# Altium PCB foxbms2-master.PcbDoc (part 6 of 12)
Units mil, origin at the board's own origin, x right, y up, seen from the top; angles counter-clockwise.
Board outline 7874.02 x 4724.41 mil, 8 copper layers (Top, Int1 (Sig), Int2 (Gnd), Int3 (Sig), Int4 (Sig), Int5 (Pwr), Int6 (Sig), Bottom), stack 64.41 mil thick; 912 components, 680 nets, 3159 pads, 2871 vias.
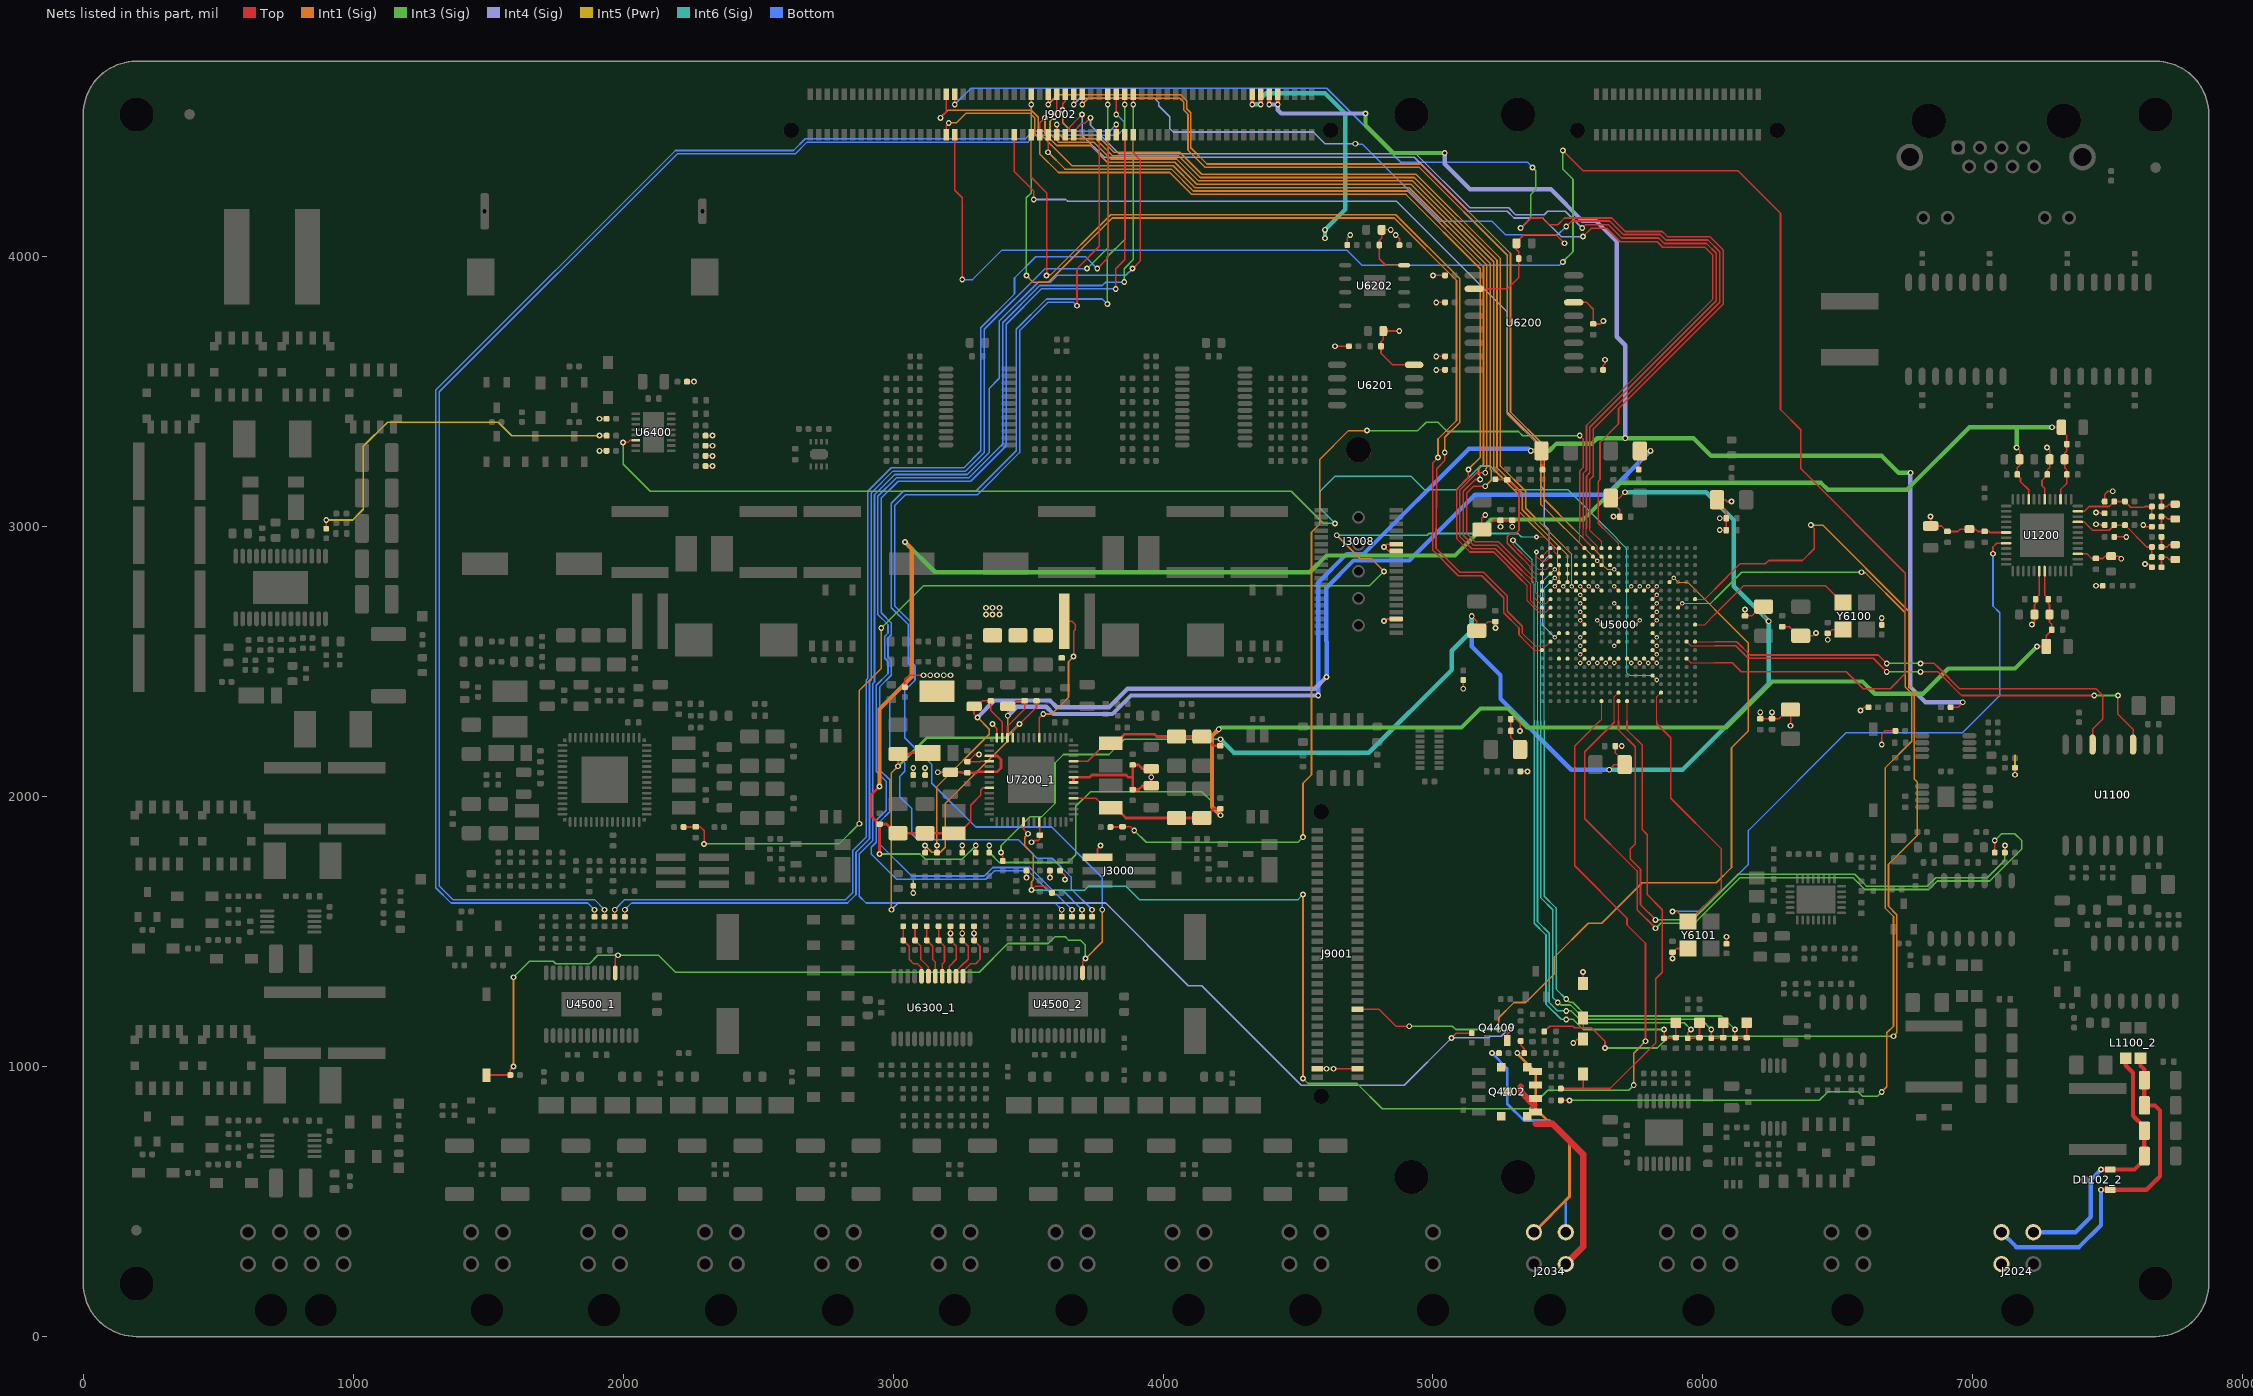
[diagram p12: the nets of this part, all layers, seen from the top]

## Via types
v1: diameter 21.65, hole 11.81, Top to Bottom, 1680 vias
v2: diameter 21.65, hole 11.81, Top to Bottom, tented both sides, 970 vias
v3: diameter 17.72, hole 7.87, Top to Bottom, tented both sides, 172 vias
v4: diameter 17.72, hole 7.87, Top to Bottom, 23 vias
v5: diameter 29.53, hole 19.68, Top to Bottom, tented both sides, 17 vias
v6: diameter 29.53, hole 19.68, Top to Bottom, 9 vias

## Nets (pads, with @x,y where several pads share a name; then routed paths per layer and width w, separated by ;. In a path a pad name is that pad's centre, name@x,y a point inside that pad or via, vN(x,y) a via of type N, cw(c..) or ccw(c..) an arc to the next point about the centre after c; other vN are vias at no path point) (continued)
IODEV_IO.CONT_FB_IO.IO1_1_1: R6311_1.1 R6329_1.2 U6300_1.14 | length 238.4
  Top w6: U6300_1.14@3258.91,1334.89 3258.91,1353.59 3286.56,1381.25 3305.87,1381.25 3321.83,1397.21 3321.83,1445.89 R6311_1.1@3300,1467.72 v2(3300,1493.75) R6329_1.2@3300,1519.78 R6329_1.2@3300,1526.83
IODEV_IO.CONT_FB_IO.IO1_2_1: R6312_1.1 R6330_1.2 U6300_1.15 | length 213.1
  Top w6: U6300_1.15@3233.32,1334.89 3233.32,1353.59 3264.15,1384.42 3265.29,1384.42 3278.08,1397.21 3278.08,1445.89 R6312_1.1@3256.25,1467.72 v2(3256.25,1493.75) R6330_1.2@3256.25,1519.78
IODEV_IO.CONT_FB_IO.IO1_3_1: R6313_1.1 R6331_1.2 U6300_1.16 | length 205
  Top w6: U6300_1.16@3207.73,1334.89 3207.73,1370.61 3234.33,1397.21 3234.33,1445.89 R6313_1.1@3212.5,1467.72 v2(3212.5,1493.75) R6331_1.2@3212.5,1519.78
IODEV_IO.CONT_FB_IO.IO1_4_1: R6314_1.1 R6332_1.2 U6300_1.17 | length 197.4
  Top w6: R6332_1.2@3168.75,1519.78 R6314_1.1@3168.75,1467.72 3190.58,1445.89 3190.58,1388.84 3182.14,1380.4 U6300_1.17@3182.14,1334.89
IODEV_IO.CONT_FB_IO.IO1_5_1: R6315_1.1 R6333_1.2 U6300_1.18 | length 198
  Top w6: R6333_1.2@3125,1519.78 R6315_1.1@3125,1467.72 3146.83,1445.89 3146.83,1396.92 3156.55,1387.2 U6300_1.18@3156.55,1334.89
IODEV_IO.CONT_FB_IO.IO1_6_1: R6316_1.1 R6334_1.2 U6300_1.19 | length 205.5
  Top w6: R6334_1.2@3081.25,1519.78 R6316_1.1@3081.25,1467.72 3103.17,1445.79 3103.17,1396.83 3130.95,1369.05 U6300_1.19@3130.95,1334.89
IODEV_IO.CONT_FB_IO.IO1_7_1: R6317_1.1 R6335_1.2 U6300_1.20 | length 221.9
  Top w6: R6335_1.2@3037.5,1519.78 R6317_1.1@3037.5,1467.72 3059.42,1445.79 3059.42,1397.21 3075.38,1381.25 3090.57,1381.25 3105.36,1366.45 U6300_1.20@3105.36,1334.89
IODEV_IO.IM_OK_1: D4400.2 R4401.2 U5000.A9 | length 1806.7
  Top w4: 5719,2281.25 U5000.A9@5719,2354.04
  Top w6: R4401.2@5473.97,918.75 5556.84,918.75 ; D4400.2@5556.25,973.13 5556.25,919.34 5556.84,918.75 ; 5719,2281.25 5719,2247.24 5775,2191.24 5775,1878.12 5793.75,1859.37 5793.75,1637.5 5850,1581.25 5850,1350 5825,1325 5825,1087.5 5656.25,918.75 5556.84,918.75
IODEV_IO.IM_PWM_1: D4401.2 R4403.2 U5000.N1 | length 4160.2
  Top w4: U5000.N1@5970.96,2731.99 6006.99,2731.99 6043.75,2768.75
  Top w6: R4403.2@5412.5,1130.22 5432.28,1150 5518.75,1150 5525,1143.75 5556.25,1143.75 ; D4401.2@5556.25,1179.38 5556.25,1143.75 ; v1(5637.5,1068.75) 5637.5,1093.75 5587.5,1143.75 5556.25,1143.75 ; 6043.75,2768.75 6137.5,2862.5 6231.25,2862.5 6243.75,2875 6368.75,2875 6412.5,2918.75 6412.5,2993.75 v1(6400,3006.25)
  Int3 (Sig) w6: v1(5637.5,1068.75) 5831.25,1068.75 5875,1112.5 v1(6706.25,1112.5)
  Int1 (Sig) w6: v1(6400,3006.25) 6443.75,3006.25 6762.5,2687.5 6762.5,2412.5 6783.75,2391.25 6783.75,2064.61 6793.75,2054.61 6793.75,1856.25 6687.5,1750 6687.5,1593.75 6718.75,1562.5 6718.75,1125 v1(6706.25,1112.5)
IODEV_IO.IM_SUP_EN_1: R4400.1 U5000.M3 | length 4029.5
  Top w4: U5000.M3@5907.97,2700.49 v4(5923.72,2716.24)
  Top w6: R4400.1@5473.97,875 v2(5506.25,875)
  Int3 (Sig) w4: v4(5923.72,2716.24) 6028.74,2716.24 6043.75,2731.25
  Int3 (Sig) w6: v2(5506.25,875) 6431.25,875 6462.5,906.25 6576.17,906.25 6591.75,890.67 6646.92,890.67 v1(6662.5,906.25) ; 6043.75,2731.25 6143.75,2831.25 v1(6587.5,2831.25)
  Int1 (Sig) w6: v1(6587.5,2831.25) 6589.83,2828.92 6602.33,2828.92 6750,2681.25 6750,2406.25 6773.75,2382.5 6773.75,2205 6675,2106.25 6675,1587.5 6706.25,1556.25 6706.25,1150 6681.25,1125 6681.25,925 v1(6662.5,906.25)
IODEV_IO.SMSW1_IN1: J9002.71 R4514_1.1 | length 4505.8
  Top w6: R4514_1.1@2006.25,1555.22 v1(2006.25,1581.25) ; v1(3795.28,4564.86) J9002.71@3795.28,4602.36
  Int3 (Sig) w6: v1(3718.75,3956.25) 3795.28,4032.78 v1(3795.28,4564.86)
  Bottom w6: v1(2006.25,1581.25) 2031.25,1606.25 2831.25,1606.25 2862.5,1637.5 2862.5,1793.75 2912.5,1843.75 2912.5,2425.86 2918.75,2432.11 2918.75,3125 3000,3206.25 3268.75,3206.25 3337.5,3275 3337.5,3731.25 3562.5,3956.25 v1(3718.75,3956.25)
IODEV_IO.SMSW1_IN2: J9002.72 R4515_1.1 | length 4486.7
  Top w6: R4515_1.1@1968.75,1555.22 v1(1968.75,1581.25) ; v1(3756.25,3956.25) 3795.28,3995.28 J9002.72@3795.28,4452.76
  Bottom w6: v1(1968.75,1581.25) 2006.25,1618.75 2825,1618.75 2850,1643.75 2850,1800 2900,1850 2900,2410.23 2900,2431.25 2906.25,2437.5 2906.25,3131.25 2993.75,3218.75 3262.5,3218.75 3325,3281.25 3325,3737.5 3450,3862.5 3450,3921.92 3528.08,4000 3712.5,4000 v1(3756.25,3956.25)
IODEV_IO.SMSW1_IN3: J9002.73 R4516_1.1 | length 5587.1
  Top w6: R4516_1.1@1931.25,1555.22 v1(1931.25,1581.25) ; v1(3826.77,4527.36) J9002.73@3826.77,4602.36
  Bottom w6: v1(1931.25,1581.25) 1893.75,1618.75 1368.75,1618.75 1318.75,1668.75 1318.75,3465.03 1318.75,3500 2200,4381.25 2637.5,4381.25 2681.25,4425 3500,4425 3525,4450 3830.09,4450 3855.78,4475.69 3855.78,4500.47 3828.89,4527.36 v1(3826.77,4527.36)
IODEV_IO.SMSW1_IN4: J9002.74 R4517_1.1 | length 5456
  Top w6: R4517_1.1@1893.75,1555.22 v1(1893.75,1581.25) ; J9002.74@3826.77,4452.76 v1(3826.77,4489.86)
  Bottom w6: v1(1893.75,1581.25) 1868.75,1606.25 1362.5,1606.25 1306.25,1662.5 1306.25,3424.49 1306.25,3506.25 2193.75,4393.75 2631.25,4393.75 2675,4437.5 3490.58,4437.5 3518.75,4465.67 3802.58,4465.67 v1(3826.77,4489.86)
IODEV_IO.SMSW2_IN1: J9002.75 R4514_2.1 | length 4364.3
  Top w6: R4514_2.1@3737.5,1555.22 v1(3737.5,1581.25) ; v1(3858.27,4564.86) J9002.75@3858.27,4602.36
  Int3 (Sig) w6: v1(3793.75,3825) 3793.75,4000 3858.27,4064.52 v1(3858.27,4564.86)
  Bottom w6: v1(3737.5,1581.25) 3659.42,1659.33 3659.42,1702.69 3590.19,1771.92 3533.29,1771.92 3464.64,1840.58 3090.67,1840.58 3087.52,1843.73 3068.75,1862.5 3068.75,1956.25 3025,2000 3025,2075 3043.75,2093.75 3043.75,2125 2987.5,2181.25 2987.5,2356.25 3068.75,2437.5 3068.75,2481.25 3056.25,2493.75 3056.25,2637.5 2993.75,2700 2993.75,3087.5 3037.5,3131.25 3306.25,3131.25 3456.25,3281.25 3456.25,3731.25 3568.75,3843.75 3775,3843.75 v1(3793.75,3825)
IODEV_IO.SMSW2_IN2: J9002.76 R4515_2.1 | length 4297.9
  Top w6: R4515_2.1@3700,1555.22 v1(3700,1581.25) ; v1(3825,3881.25) 3825,3956.25 3858.27,3989.52 J9002.76@3858.27,4452.76
  Bottom w6: v1(3700,1581.25) 3628.08,1653.17 3590.58,1653.17 3506.25,1737.5 3368.75,1737.5 3337.5,1706.25 3068.75,1706.25 2950,1825 2950,1906.25 2987.5,1943.75 2987.5,2062.5 2950,2100 2950,2406.25 2993.75,2450 2993.75,2506.25 2981.25,2518.75 2981.25,2587.5 2993.75,2600 2993.75,2643.75 2956.25,2681.25 2956.25,3106.25 3018.75,3168.75 3287.5,3168.75 3418.75,3300 3418.75,3750 3550,3881.25 v1(3825,3881.25)
IODEV_IO.SMSW2_IN3: J9002.77 R4516_2.1 | length 4503.8
  Top w6: R4516_2.1@3662.5,1555.22 v1(3662.5,1581.25) ; v1(3889.76,4564.86) J9002.77@3889.76,4602.36
  Int3 (Sig) w6: v1(3856.25,3906.25) 3856.25,3956.25 3889.76,3989.76 v1(3889.76,4564.86)
  Bottom w6: v1(3662.5,1581.25) 3606.25,1637.5 3587.5,1637.5 3500,1725 3375,1725 3343.75,1693.75 3012.5,1693.75 2918.75,1787.5 2918.75,1812.5 2937.5,1831.25 2937.5,1912.5 2975,1950 2975,2056.25 2937.5,2093.75 2937.5,2412.5 2981.25,2456.25 2981.25,2500 2968.75,2512.5 2968.75,2593.75 2981.25,2606.25 2981.25,2637.5 2943.75,2675 2943.75,3112.5 3012.5,3181.25 3281.25,3181.25 3406.25,3306.25 3406.25,3756.25 3543.75,3893.75 3775,3893.75 3787.5,3906.25 v1(3856.25,3906.25)
IODEV_IO.SMSW2_IN4: J9002.78 R4517_2.1 | length 4393.6
  Top w6: R4517_2.1@3625,1555.22 v1(3625,1581.25) ; v1(3887.5,3956.25) 3916.09,3984.84 3916.09,4358.91 3889.76,4385.24 J9002.78@3889.76,4452.76
  Bottom w6: v1(3625,1581.25) 3600,1606.25 2900,1606.25 2875,1631.25 2875,1787.5 2925,1837.5 2925,2395.69 2925,2418.75 2931.25,2425 2931.25,3118.75 3006.25,3193.75 3275,3193.75 3356.25,3275 3356.25,3512.5 3393.75,3550 3393.75,3762.5 3537.5,3906.25 3582.75,3906.25 3607.75,3931.25 3862.5,3931.25 v1(3887.5,3956.25)
IODEV_IO.SMSW_LHM_1: J9002.70 R4500.2 S4500.1 U4500_1.18 U4500_2.18 | length 7028.4
  Top w6: S4500.1@1493.75,968.75 R4500.2@1582.28,968.75 1582.28,988.53 v1(1593.75,1000) ; U4500_1.18@1970.82,1347.39 1970.82,1402.07 v2(1981.25,1412.5) ; v1(3681.25,3818.75) 3681.25,3956.25 3763.78,4038.78 J9002.70@3763.78,4452.76 ; U4500_2.18@3702.07,1347.39 3702.07,1389.47 3712.5,1399.9 v1(3712.5,1400)
  Int3 (Sig) w6: v1(1593.75,1331.25) 1653.08,1390.58 1740.82,1390.58 1750.14,1381.25 1875,1381.25 1906.25,1412.5 v2(1981.25,1412.5) 2131.25,1412.5 2193.75,1350 3318.75,1350 3425,1456.25 3575,1456.25 3600,1481.25 3637.5,1481.25 3650,1468.75 3693.75,1468.75 3712.5,1450 v1(3712.5,1400)
  Int1 (Sig) w6: v1(1593.75,1000) v1(1593.75,1331.25) ; v1(3712.5,1400) 3775,1462.5 v1(3775,1581.25)
  Bottom w6: v1(3681.25,3818.75) 3668.75,3831.25 3574.3,3831.25 3468.75,3725.7 3468.75,3275 3312.5,3118.75 3046.35,3118.75 3006.25,3078.65 3006.25,2706.25 3068.75,2643.75 3068.75,2500 3081.25,2487.5 3081.25,2431.25 3043.75,2393.75 3043.75,2218.75 3143.53,2118.97 3143.53,2050.22 3306.25,1887.5 3587.5,1887.5 3775,1700 v1(3775,1581.25)
iso_CAN2.H_1: D1102_2.1 J2024.4 L1100_2.4 R1110_2.2 R1111_2.2 | length 1285.8
  Top w16: v1(7475,543.75) 7475.1,543.85 D1102_2.1@7509.74,543.85 7643.85,543.85 7693.75,593.75 7693.75,837.5 7675,856.25 R1111_2.2@7635.68,856.25 R1110_2.2@7635.68,950 7635.68,989.32 7621.31,1003.69 L1100_2.4@7621.31,1030.61
  Bottom w16: J2024.4@7106.34,386.42 7161.51,331.25 7393.75,331.25 7475,412.5 v1(7475,543.75)
iso_CAN2.L_1: D1102_2.2 J2024.3 L1100_2.1 R1112_2.2 R1113_2.2 | length 1007.6
  Top w16: v1(7475,618.75) 7485.96,618.75 7486.06,618.65 D1102_2.2@7509.74,618.65 7599.36,618.65 7635.68,654.97 R1113_2.2@7635.68,668.75 R1112_2.2@7635.68,762.5 7635.68,776.28 7593.75,818.21 7593.75,977.4 7566.19,1004.96 L1100_2.1@7566.19,1030.61
  Bottom w16: J2024.3@7224.37,386.42 7380.17,386.42 7437.5,443.75 7437.5,581.25 v1(7475,618.75)
iso_CAN2.VSUP_1: J2024.2
ISOMON.OK_1: J2034.3 R4404.2 | length 869.5
  Top w6: v1(5218.75,1050) R4404.2@5244.78,1050
  Bottom w10: v1(5218.75,1050) 5275,993.75 5275,862.5 5337.5,800 5431.25,800 5506.25,725 5506.25,518.75 5492.09,504.59 J2034.3@5492.09,386.42
ISOMON.PWM_1: J2034.4 R4406.2 R4409.1 | length 875
  Top w6: v1(5312.5,1050) R4406.2@5338.53,1050 5338.53,1066.42 5325,1079.96 R4409.1@5325,1094.78
  Int1 (Sig) w10: v1(5312.5,1050) 5312.5,1046.85 5381.25,978.1 5381.25,843.75 5506.25,718.75 5506.25,518.61 J2034.4@5374.06,386.42
ISOMON.SUP-_1: J2034.1 Q4402.D | length 744.3
  Top w24: 5325,925 5325,906.52 5375.27,856.25 ; 5381.25,787.5 5443.75,787.5 5462.5,768.75 5556.25,675 5556.25,332.59 J2034.1@5492.09,268.43
LED_0_10: R1200.1 R1204.2 R1208.1 R1212.2 U1200.47 | length 337.3
  Top w6: U1200.47@7389.12,3057.33 7413.58,3057.33 7431.25,3075 7505.22,3075 R1200.1@7523.97,3093.75 R1212.2@7563.53,3093.75 7585.36,3071.92 7634.04,3071.92 7637.12,3075 R1208.1@7663.53,3075 7663.53,3060.17 R1204.2@7663.53,3037.5
LED_2_10: R1202.1 R1206.2 R1210.1 R1214.2 U1200.45 | length 365.9
  Top w6: U1200.45@7389.12,3017.96 7413.29,3017.96 7443.75,2987.5 7505.22,2987.5 R1202.1@7523.97,3006.25 R1214.2@7563.53,3006.25 7644.78,2925 R1210.1@7663.53,2925 7663.53,2910.17 R1206.2@7663.53,2887.5
LED_GN_A_10: D1200.2 R1204.1 R1205.1 | length 92.2
  Top w6: R1205.1@7698.97,3000 R1204.1@7698.97,3037.5 7713.79,3037.5 7722.6,3028.69 D1200.2@7750,3028.69
LED_GN_C_10: D1200.1 R1208.2 R1209.2 | length 92.2
  Top w6: R1209.2@7698.97,3112.5 R1208.2@7698.97,3075 7719.47,3075 7728.28,3083.81 D1200.1@7750,3083.81
LED_YE_A_10: D1201.2 R1206.1 R1207.1 | length 92.2
  Top w6: R1207.1@7698.97,2850 R1206.1@7698.97,2887.5 7719.47,2887.5 7728.28,2878.69 D1201.2@7750,2878.69
LED_YE_C_10: D1201.1 R1210.2 R1211.2 | length 92.2
  Top w6: R1211.2@7698.97,2962.5 R1210.2@7698.97,2925 7719.47,2925 7728.28,2933.81 D1201.1@7750,2933.81
MCU_1.1V: C1200.2 C1201.2 C1202.2 C1203.2 C1204.2 C1205.2 C1206.2 C1207.2 C7246_1.2 C7247_1.2 C7248_1.2 L7204_1.2 R7203.2 U1200.6 U1200.31 U1200.39 U7200_1.32 | length 6113.2
  Top w6: R7203.2@3356.25,1792.72 v2(3356.25,1818.75) ; U7200_1.32@3668.52,1993.6 3752.81,1993.6 3787.94,1958.46 L7204_1.2@3806.25,1958.46 ; v2(7237.5,2556.25) C1200.2@7272.15,2556.25 7272.15,2596.51 7292.42,2616.78 C1201.2@7292.42,2618.75 7292.42,2638.83 7283.96,2647.29 C1202.2@7283.96,2675 7283.96,2711.01 7279.92,2715.05 C1203.2@7279.92,2731.25 7279.92,2733.22 7266.09,2747.05 U1200.31@7266.09,2835.88 ; U1200.6@7266.09,3101.62 7266.09,3141.8 7256.25,3151.64 7256.25,3171.7 7276.33,3191.78 C1205.2@7276.33,3193.75 7276.33,3209.95 7284.79,3218.42 C1204.2@7284.79,3250 7284.79,3283.96 v2(7275,3293.75) ; U1200.39@7389.12,2899.85 7422.77,2899.85 7440.05,2882.58 C1207.2@7456.25,2882.58 7481.33,2882.58 7489.8,2891.04 C1206.2@7512.5,2891.04 7540.21,2891.04 v2(7550,2881.25)
  Top w10: L7204_1.2@3806.25,1958.46 3824.56,1958.46 3862.16,1920.87 C7247_1.2@4050,1920.87 C7248_1.2@4143.75,1920.87 4152.61,1920.87 4186.66,1954.92 C7246_1.2@4212.5,1954.92 v2(4212.5,1931.25)
  Int3 (Sig) w6: v2(3356.25,1818.75) 3356.25,1793.75 3393.75,1756.25 3648.17,1756.25 3677.2,1785.28 3677.2,1964.7 3731.25,2018.75 4143.37,2018.75 4181.15,1980.97 4181.15,1962.6 v2(4212.5,1931.25)
  Int3 (Sig) w16: v1(4206.25,2250) 4207.78,2250 4214.03,2256.25 5105.81,2256.25 5176.39,2326.83 5278.55,2326.83 5349.12,2256.25 6087.5,2256.25 6258.08,2426.83 6591.48,2426.83 6637.06,2381.25 6815.6,2381.25 6909.35,2475 7156.25,2475 v2(7237.5,2556.25)
  Int1 (Sig) w16: v1(4206.25,2250) 4181.25,2225 4181.25,1962.5 v2(4212.5,1931.25)
MCU_1.2V: C5000.2 C5001.2 C5002.2 C5003.2 C5004.2 C5005.2 C5006.2 C5017.2 C7238_1.2 C7239_1.2 C7240_1.2 L7203_1.2 R7202.2 U5000.F9 U5000.F10 U5000.H10 U5000.J14 U5000.K6 U5000.K8 U5000.K12 U5000.K14 U5000.L6 U5000.M10 U5000.P10 U7200_1.39 | length 6578.9
  Top w4: v3(5545.77,2590.26) U5000.J14@5561.52,2606 ; v3(5545.77,2653.25) U5000.K14@5561.52,2637.5 ; v3(5608.76,2653.25) U5000.K12@5624.51,2637.5 ; v3(5671.75,2495.77) U5000.F10@5687.5,2511.52 ; v3(5671.75,2558.76) U5000.H10@5687.5,2574.51 ; v3(5671.75,2716.24) U5000.M10@5687.5,2700.49 ; v3(5671.75,2779.23) U5000.P10@5687.5,2763.48 ; U5000.F9@5719,2511.52 v3(5734.74,2495.77) ; U5000.K8@5750.49,2637.5 v3(5766.24,2653.25) ; U5000.K6@5813.48,2637.5 v3(5829.23,2653.25) ; U5000.L6@5813.48,2669 v3(5829.23,2684.74)
  Top w6: v2(3400,1793.75) 3400,1787.5 3406.25,1781.25 R7202.2@3406.25,1761.47 ; U7200_1.39@3668.52,2131.4 3721.56,2131.4 3787.94,2197.79 L7203_1.2@3806.25,2197.79 ; v1(5143.75,2668.75) 5162.5,2650 C5002.2@5162.5,2614.62 ; C5002.2@5171.36,2614.62 5205.41,2648.67 C5006.2@5231.25,2648.67 v2(5231.25,2625) ; v1(5653.17,2100) 5671.92,2118.75 C5001.2@5710.14,2118.75 ; v2(5668.75,3037.5) C5005.2@5692.42,3037.5 5692.42,3063.34 5658.37,3097.39 C5000.2@5658.37,3106.25 5689.77,3106.25 v1(5711.12,3127.6) ; v2(5699.75,2187.5) C5004.2@5676.08,2187.5 5676.08,2161.66 C5001.2@5710.14,2127.61 ; v2(6156.25,2693.75) C5003.2@6156.25,2670.08 6182.09,2670.08 6216.14,2704.13 C5017.2@6225,2704.13 6225,2668.75 v1(6243.75,2650)
  Top w10: L7203_1.2@3806.25,2197.79 3824.56,2197.79 3858.02,2231.25 3968.75,2231.25 3977.12,2222.88 C7240_1.2@4050,2222.88 C7239_1.2@4143.75,2222.88 4152.61,2222.88 4186.66,2188.83 C7238_1.2@4212.5,2188.83 v2(4212.5,2212.5)
  Int3 (Sig) w6: v2(3400,1793.75) 3400,1818.75 3506.25,1925 3550,1925 3600,1975 3600,2125 3631.06,2156.06 3799.81,2156.06 3856.25,2212.5 v2(4212.5,2212.5)
  Int6 (Sig) w16: v2(4212.5,2212.5) 4262.5,2162.5 4762.5,2162.5 5069.77,2469.77 5069.77,2540.67 5143.75,2614.65 v1(5143.75,2668.75) ; v1(5653.17,2100) 5925,2100 6243.75,2418.75 v1(6243.75,2650) 6243.75,2650.44 6114.65,2779.54 6114.65,3025.18 6012.22,3127.6 v1(5711.12,3127.6)
  Bottom w16: v1(5143.75,2668.75) 5143.75,2556.25 5250,2450 5250,2362.5 5512.5,2100 v1(5653.17,2100)
MCU_1.2V_LDO: C5007.2 C7232_1.2 C7233_1.2 FB5000.1 R7200.2 U7200_1.55 | length 4100.2
  Top w6: R7200.2@3162.5,1792.72 v2(3162.5,1818.75) ; v2(3312.5,2293.75) 3300,2306.25 C7233_1.2@3300,2334.65 3310.83,2334.65 3331.1,2354.92 C7232_1.2@3362.5,2354.92 3362.5,2318.75 3404.23,2277.02 U7200_1.55@3404.23,2218.52 ; FB5000.1@5762.5,3211.47 5762.5,3226.29 5766.63,3230.43 C5007.2@5766.63,3281.25 v2(5806.25,3281.25)
  Int1 (Sig) w6: v2(3162.5,1818.75) 3162.5,2037.5 3356.25,2231.25 3356.25,2250 v2(3312.5,2293.75)
  Int4 (Sig) w16: v2(3312.5,2293.75) 3375,2356.25 3581.69,2356.25 3606.69,2331.25 3800,2331.25 3868.75,2400 4562.5,2400 v1(4606.25,2443.75)
  Bottom w16: v1(4606.25,2443.75) 4606.25,2574.16 4604.42,2575.98 4604.42,2773.17 4706.25,2875 4912.5,2875 5156.25,3118.75 5643.75,3118.75 v2(5806.25,3281.25)
MCU_2.5V: C1208.2 C1209.2 C1210.2 C1211.2 C1212.2 C1213.2 C7249_1.2 C7250_1.2 C7251_1.2 L7205_1.2 R7204.2 U1200.3 U1200.9 U7200_1.9 | length 7349.4
  Top w6: L7205_1.2@3225,1864.71 3243.31,1864.71 3287.5,1908.91 3287.5,1968.75 3325,2006.25 3325,2025 3332.97,2032.97 U7200_1.9@3356.48,2032.97 ; R7204.2@3306.25,1792.72 v2(3306.25,1818.75) ; v2(7162.5,3293.75) 7173.62,3282.63 C1210.2@7173.62,3250 7173.62,3227.3 7165.16,3218.83 C1211.2@7165.16,3193.75 7165.16,3191.78 7176.72,3180.22 7176.72,3167.03 7207.04,3136.71 U1200.9@7207.04,3101.62 ; v2(7293.75,3368.75) C1208.2@7328.4,3368.75 7328.4,3357.92 7348.67,3337.65 C1209.2@7348.67,3306.25 7348.67,3281.17 7340.21,3272.7 C1212.2@7340.21,3250 7340.21,3218.42 7348.67,3209.95 C1213.2@7348.67,3193.75 7348.67,3161.17 7325.15,3137.65 U1200.3@7325.15,3101.62
  Top w10: v2(2950,1787.5) C7249_1.2@2950,1898.67 ; v2(2950,2037.5) 2918.75,2006.25 2918.75,1927.95 2948.03,1898.67 C7249_1.2@2950,1898.67 ; L7205_1.2@3225,1864.71 3158.28,1864.71 3158.18,1864.62 C7250_1.2@3118.75,1864.62 C7251_1.2@3018.75,1864.62 3009.89,1864.62 2975.84,1898.67 C7249_1.2@2950,1898.67
  Int3 (Sig) w6: v2(2950,1787.5) 3100,1787.5 3118.75,1768.75 3256.25,1768.75 v2(3306.25,1818.75)
  Int3 (Sig) w16: v1(3043.75,2943.75) 3156.25,2831.25 4543.75,2831.25 4606.25,2893.75 5081.69,2893.75 5214.77,3026.83 5558.08,3026.83 5693.75,3162.5 6437.89,3162.5 6462.89,3137.5 6756.25,3137.5 6987.5,3368.75 7162.5,3368.75 ; v2(7162.5,3293.75) 7162.5,3368.75 ; v2(7293.75,3368.75) 7162.5,3368.75
  Int1 (Sig) w16: v2(2950,2037.5) 2950,2325 3068.75,2443.75 3068.75,2918.75 v1(3043.75,2943.75)
MCU_3.3V: C1214.2 C1215.2 C1216.2 C1217.2 C1218.2 C1219.2 C5013.2 C5014.2 C5016.2 C5018.2 C5019.2 C5020.2 C5021.2 C5022.2 C5023.2 C5024.2 C5025.2 C5026.2 C5027.2 C5028.2 C6100.2 C6101.2 C6200.2 C6201.2 C6202.2 C6203.2 C6204.2 C6205.2 C6206.2 C7210_1.2 C7211_1.2 C7212_1.2 C7213_1.2 C7215_1.2 C7216_1.2 C7222_1.2 C7223_1.2 C7224_1.2 C7228_1.2 C7229_1.2 C7230_1.2 D4400.1 D4401.1 J3000.1 J3008.12 J3008.14 J3008.34 J9001.57 J9001.58 J9002.105 J9002.107 L7202_1.2 R1200.2 R1201.2 R1202.2 R1203.2 R1205.2 R1207.2 R1222.2 R3004.2 R3009.2 R6100.1 R6101.1 R6200.2 R6201.2 R6202.2 R6203.2 R6204.2 R6205.2 R6206.2 R6207.2 R6401.2 R6403.2 R6404.2 R6407.2 R6408.2 R6409.2 R6410.2 R6411.2 R6601.2 R6605.2 R6608.2 R7002.2 R7106.2 R7207_1.1 R7226_1.2 R7236_1.2 R7237_1.2 R7240_1.2 R7241_1.2 R7242_1.2 R7250_1.2 U1200.18 U1200.30 U5000.F6 U5000.F7 U5000.F8 U5000.F11 U5000.F12 U5000.F13 U5000.F14 U5000.G6 U5000.G14 U5000.H6 U5000.H14 U5000.J6 U5000.L14 U5000.M6 U5000.M14 U5000.N6 U5000.N14 U5000.P6 U5000.P7 U5000.P8 U5000.P9 U5000.P12 U5000.P13 U5000.P14 U6200.2 U6200.14 U6201.8 U6202.8 U7200_1.3 U7200_1.4 U7200_1.6 U7200_1.23 U7200_1.35 U7200_1.36 U7200_1.48 U7200_1.56 Y6100.4 Y6101.4 | length 9406
  Top w4: v3(5545.77,2495.77) U5000.F14@5561.52,2511.52 ; v3(5545.77,2527.26) U5000.G14@5561.52,2543.01 ; v3(5545.77,2558.76) U5000.H14@5561.52,2574.51 ; v3(5545.77,2684.74) U5000.L14@5561.52,2669 ; v3(5545.77,2716.24) U5000.M14@5561.52,2700.49 ; v3(5545.77,2747.74) U5000.N14@5561.52,2731.99 ; v3(5545.77,2779.23) U5000.P14@5561.52,2763.48 ; v3(5577.26,2495.77) U5000.F13@5593.01,2511.52 ; v3(5577.26,2779.23) U5000.P13@5593.01,2763.48 ; v3(5608.76,2495.77) U5000.F12@5624.51,2511.52 ; v3(5608.76,2779.23) U5000.P12@5624.51,2763.48 ; v3(5640.26,2495.77) U5000.F11@5656,2511.52 ; U5000.P9@5719,2763.48 v3(5734.74,2779.23) ; U5000.F8@5750.49,2511.52 v3(5766.24,2495.77) ; U5000.P8@5750.49,2763.48 v3(5766.24,2779.23) ; U5000.F7@5781.99,2511.52 v3(5797.74,2495.77) ; U5000.P7@5781.99,2763.48 v3(5797.74,2779.23) ; U5000.F6@5813.48,2511.52 v3(5829.23,2495.77) ; U5000.G6@5813.48,2543.01 v3(5829.23,2527.26) ; U5000.H6@5813.48,2574.51 v3(5829.23,2558.76) ; U5000.J6@5813.48,2606 v3(5829.23,2590.26) ; U5000.M6@5813.48,2700.49 v3(5829.23,2716.24) ; U5000.N6@5813.48,2731.99 v3(5829.23,2747.74) ; U5000.P6@5813.48,2763.48 v3(5829.23,2779.23)
  Top w6: R7106.2@900,2992.72 v2(900,3025) ; v2(1912.5,3281.25) R6408.2@1938.53,3281.25 ; v2(1912.5,3337.5) R6404.2@1938.53,3337.5 ; v2(1912.5,3400) R6403.2@1938.53,3400 ; R6407.2@2236.47,3537.5 v2(2262.5,3537.5) ; R6409.2@2305.22,3225 v2(2331.25,3225) ; R6410.2@2305.22,3262.5 v2(2331.25,3262.5) ; R6411.2@2305.22,3300 v2(2331.25,3300) ; R6401.2@2305.22,3337.5 v2(2331.25,3337.5) ; R7002.2@3043.75,2405.22 3043.75,2434.51 3059.24,2450 v2(3112.5,2450) ; v1(3075,1643.75) R7250_1.2@3075,1669.78 ; R7237_1.2@3075,2080.22 v2(3075,2106.25) ; R7236_1.2@3118.75,2080.22 v2(3118.75,2106.25) ; R7242_1.2@3256.25,1792.72 v2(3256.25,1818.75) ; C7230_1.2@3275,2129.92 C7230_1.2@3276.97,2129.92 ; v2(3318.75,2156.25) 3303.3,2156.25 C7230_1.2@3276.97,2129.92 ; U7200_1.4@3356.48,2131.4 3325.15,2131.4 3323.67,2129.92 C7230_1.2@3276.97,2129.92 ; v2(3368.75,2268.75) 3384.55,2252.95 U7200_1.56@3384.55,2218.52 ; v2(3493.75,1700) R7241_1.2@3493.75,1726.03 ; v2(3512.5,1831.25) 3516.74,1831.25 3522.99,1837.5 3537.91,1837.5 3543.75,1843.34 C7222_1.2@3543.75,1857.58 3543.75,1882.55 3542.03,1884.27 U7200_1.23@3542.03,1906.48 ; U7200_1.48@3542.03,2218.52 3542.03,2292.03 v2(3556.25,2306.25) ; v2(3581.25,1700) R7240_1.2@3581.25,1726.03 ; R7207_1.1@3618.75,1726.03 3637.5,1707.28 v2(3637.5,1693.75) ; R7226_1.2@3634.01,2650 3662.5,2650 3675,2637.5 3675,2618.75 3668.75,2612.5 v2(3668.75,2518.75) ; J3000.1@3757.38,1775 3757.38,1807.38 v2(3768.75,1818.75) ; J9001.58@4570.87,992.13 v1(4606.25,992.13) ; v1(4631.25,992.13) J9001.57@4720.47,992.13 J9001.57@4718.85,993.75 ; v2(4637.5,3668.75) R6205.2@4688.53,3668.75 ; R6206.2@4682.28,4043.75 4682.28,4069.78 v1(4693.75,4081.25) ; v1(4818.75,2651.35) 4822.99,2651.35 4829.9,2658.27 J3008.34@4863.39,2658.27 ; v1(4818.75,2925) v1@4818.85,2925 ; v2(4843.75,4100) C6205.2@4809.79,4100 4809.79,4068.42 4801.33,4059.95 C6206.2@4801.33,4043.75 4801.33,3992.42 4825,3968.75 U6202.8@4893.5,3968.75 ; v1(4862.5,4081.25) 4876.03,4067.72 R6207.2@4876.03,4043.75 ; J3008.14@4863.39,2910.24 4834.39,2910.24 4819.62,2925 v1@4818.85,2925 ; J3008.12@4863.39,2935.43 4829.28,2935.43 v1@4818.85,2925 ; v1(4875,3725) C6203.2@4816.04,3725 4816.04,3693.42 4807.58,3684.95 C6204.2@4807.58,3668.75 4807.58,3642.42 4850,3600 U6201.8@4930.22,3600 ; v2(5000,3931.25) R6202.2@5044.78,3931.25 ; v2(5012.5,3581.25) R6201.2@5044.78,3581.25 ; v2(5012.5,3631.25) R6200.2@5044.78,3631.25 ; v2(5012.5,3831.25) R6204.2@5044.78,3831.25 ; v2(5112.5,2400) R3009.2@5112.5,2432.28 ; U6200.2@5153.44,3881.25 5275,3881.25 5317.42,3923.67 C6201.2@5317.42,3993.75 5317.42,4018.83 5308.96,4027.3 C6200.2@5308.96,4050 5308.96,4053.94 5336.27,4081.25 5456.25,4081.25 v1(5487.5,4050) ; v2(5193.75,3043.75) 5181.25,3031.25 C5020.2@5181.25,2989.62 5190.11,2989.62 5224.16,3023.67 C5021.2@5250,3023.67 ; v2(5250,3000) C5021.2@5250,3023.67 ; v2(5293.75,3000) C5022.2@5293.75,3023.67 C5021.2@5250,3023.67 ; C5016.2@5322.88,2175 5322.88,2183.86 5288.83,2217.91 C5024.2@5288.83,2243.75 C5025.2@5288.83,2287.5 5306.25,2287.5 5322.88,2270.87 v2(5322.88,2243.75) ; R3004.2@5323.97,2093.75 v2(5350,2093.75) ; v1(5519.97,1087.5) 5534.34,1101.87 D4400.1@5556.25,1101.87 ; U6200.14@5521.56,3831.25 5568.75,3831.25 5593.75,3806.25 C6202.2@5593.75,3751.33 5620.08,3751.33 v2(5631.25,3762.5) ; D4401.1@5556.25,1308.12 v1(5556.25,1350) ; R6203.2@5630.22,3581.25 5630.22,3596.08 5637.5,3603.36 v2(5637.5,3618.75) ; v2(5887.5,1400) C6101.2@5887.5,1423.67 5889.47,1423.67 5903.3,1437.5 Y6101.4@5944.19,1437.5 ; v2(6062.5,2987.5) C5027.2@6086.17,2987.5 C5026.2@6086.17,3031.25 ; v2(6062.5,3031.25) C5026.2@6086.17,3031.25 ; R6101.1@6087.5,1455.22 v2(6087.5,1481.25) ; v2(6106.25,3093.75) 6088.94,3093.75 6082.69,3100 C5018.2@6052.12,3100 6052.12,3091.14 6086.17,3057.09 C5026.2@6086.17,3031.25 ; v2(6212.5,2312.5) C5023.2@6212.5,2288.83 C5028.2@6256.25,2288.83 ; v2(6256.25,2312.5) C5028.2@6256.25,2288.83 ; C5014.2@6293.75,2629.92 6319.59,2629.92 6353.64,2595.87 C5013.2@6362.5,2595.87 6408.37,2595.87 v1(6418.75,2606.25) ; v2@6325,2256.25 v2(6325,2262.5) C5019.2@6325,2322.88 6316.14,2322.88 6282.09,2288.83 C5028.2@6256.25,2288.83 ; v1(6462.5,2581.25) C6100.2@6462.5,2604.92 6464.47,2604.92 6478.3,2618.75 Y6100.4@6494.19,2618.75 ; v1(6584.33,2318.75) 6596.83,2331.25 R6608.2@6613.53,2331.25 ; v2(6662.5,2193.75) 6662.5,2231.25 6675,2243.75 R6605.2@6713.53,2243.75 ; R6100.1@6662.5,2636.47 v1(6662.5,2662.5) ; v2(6843.75,3037.5) C1214.2@6843.75,3002.85 6884.01,3002.85 6904.28,2982.58 C1215.2@6906.25,2982.58 6945.08,2982.58 6953.54,2991.04 C1216.2@6987.5,2991.04 7010.2,2991.04 7018.67,2982.58 C1217.2@7043.75,2982.58 7059.95,2982.58 7063.94,2978.59 U1200.18@7123.38,2978.59 ; v2(7156.25,2081.25) R6601.2@7156.25,2107.28 ; v2(7218.75,2637.5) 7228.54,2647.29 C1218.2@7228.54,2675 7228.54,2711.01 7232.58,2715.05 C1219.2@7232.58,2731.25 7232.58,2733.22 7246.41,2747.05 U1200.30@7246.41,2835.88 ; v2(7456.25,2781.25) R1203.2@7481.25,2781.25 ; v2(7456.25,3009.33) 7470.63,3009.33 7473.71,3006.25 R1202.2@7488.53,3006.25 ; v2@7456.25,3050 v2(7456.25,3053.08) 7470.63,3053.08 7473.71,3050 R1201.2@7488.53,3050 ; R1200.2@7488.53,3093.75 7488.53,3119.78 7500,3131.25 v2(7518.75,3131.25) ; R1222.2@7523.97,2962.5 v2(7568.75,2962.5) ; v2(7631.25,3006.25) 7637.5,3000 R1205.2@7663.53,3000 ; v2(7637.5,2862.5) 7651.03,2862.5 R1207.2@7663.53,2850